# Altium PCB WX0.007.100PCB-4.2.PcbDoc (part 1 of 2)
Units mil, origin at the board's own origin, x right, y up, seen from the top; angles counter-clockwise.
Board outline 4262 x 10750.19 mil, 4 copper layers (Top Layer, GND, VCC, Bottom Layer), stack 62.248 mil thick; 172 components, 134 nets, 606 pads, 489 vias.
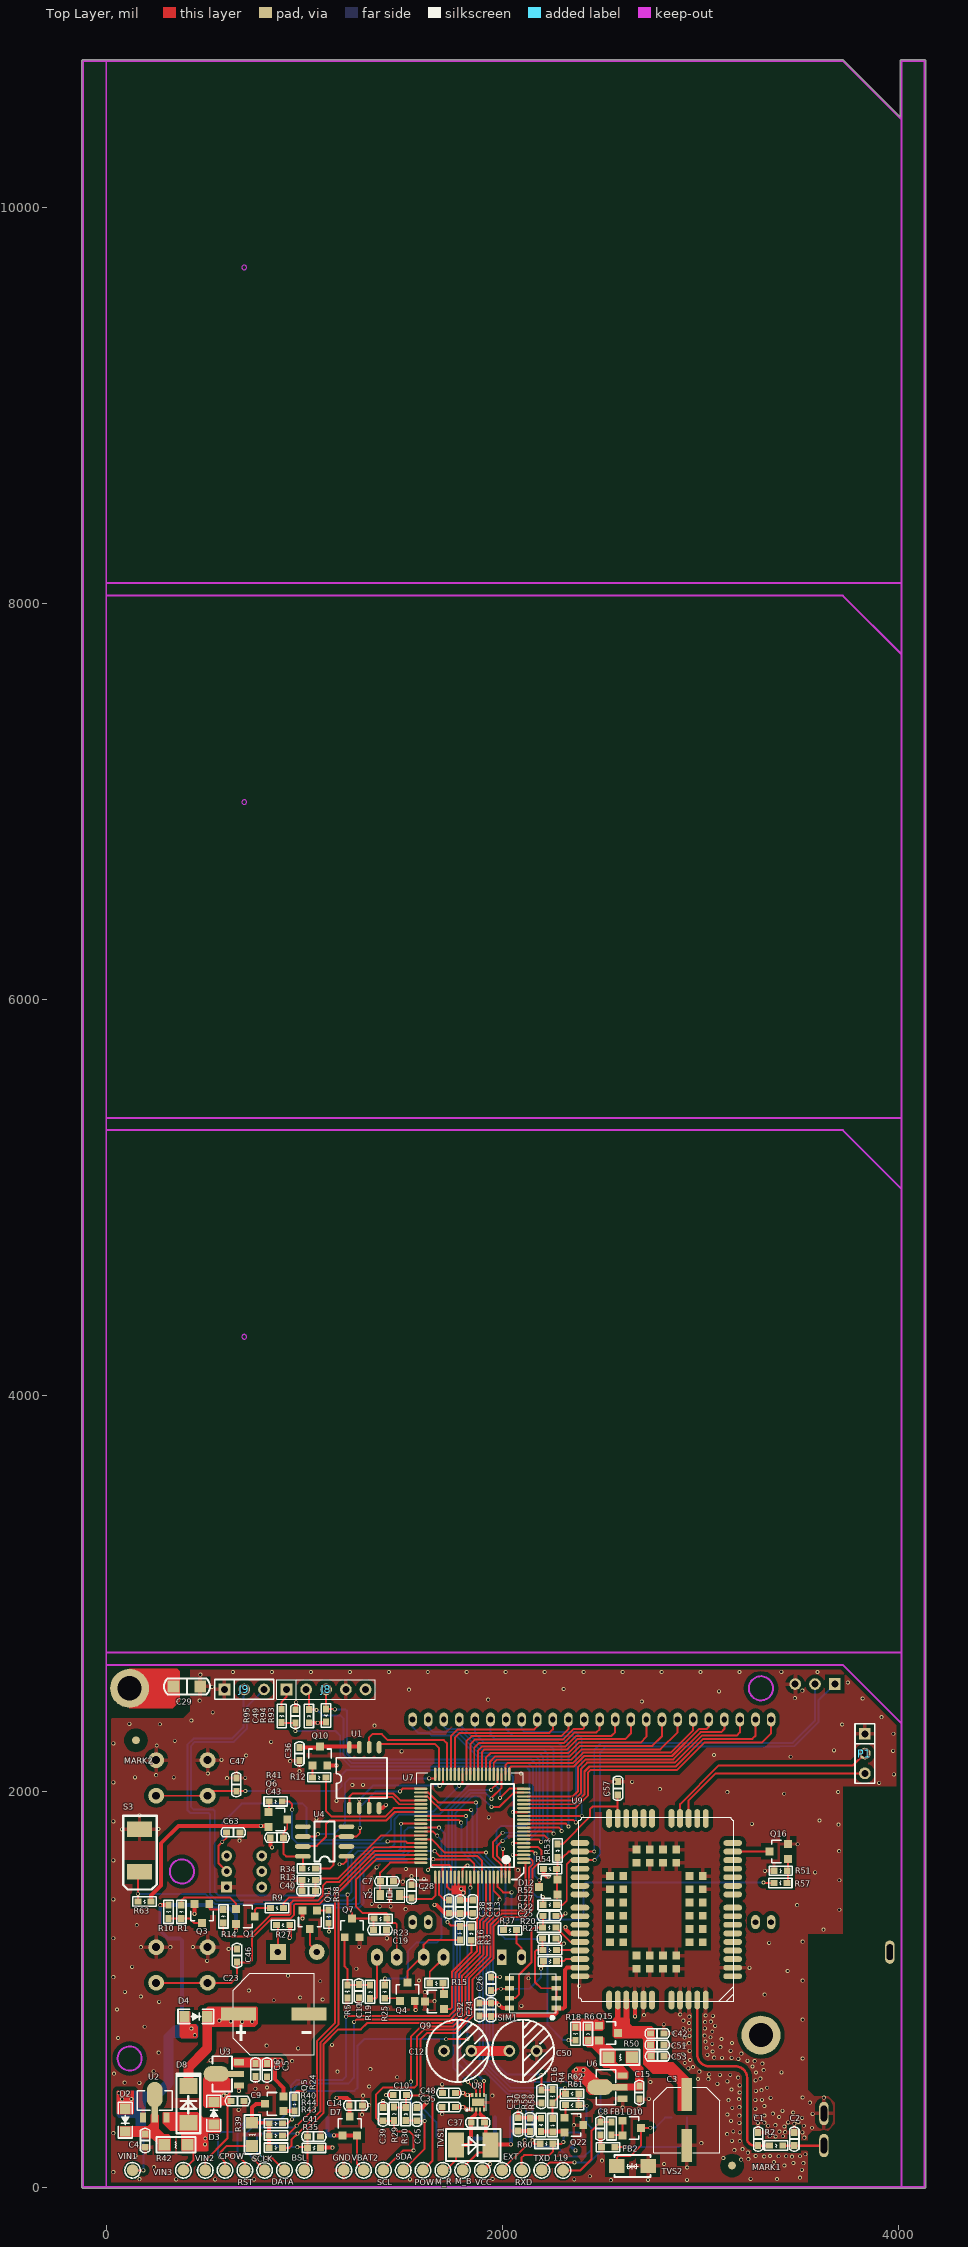
[diagram p0: Top Layer view]
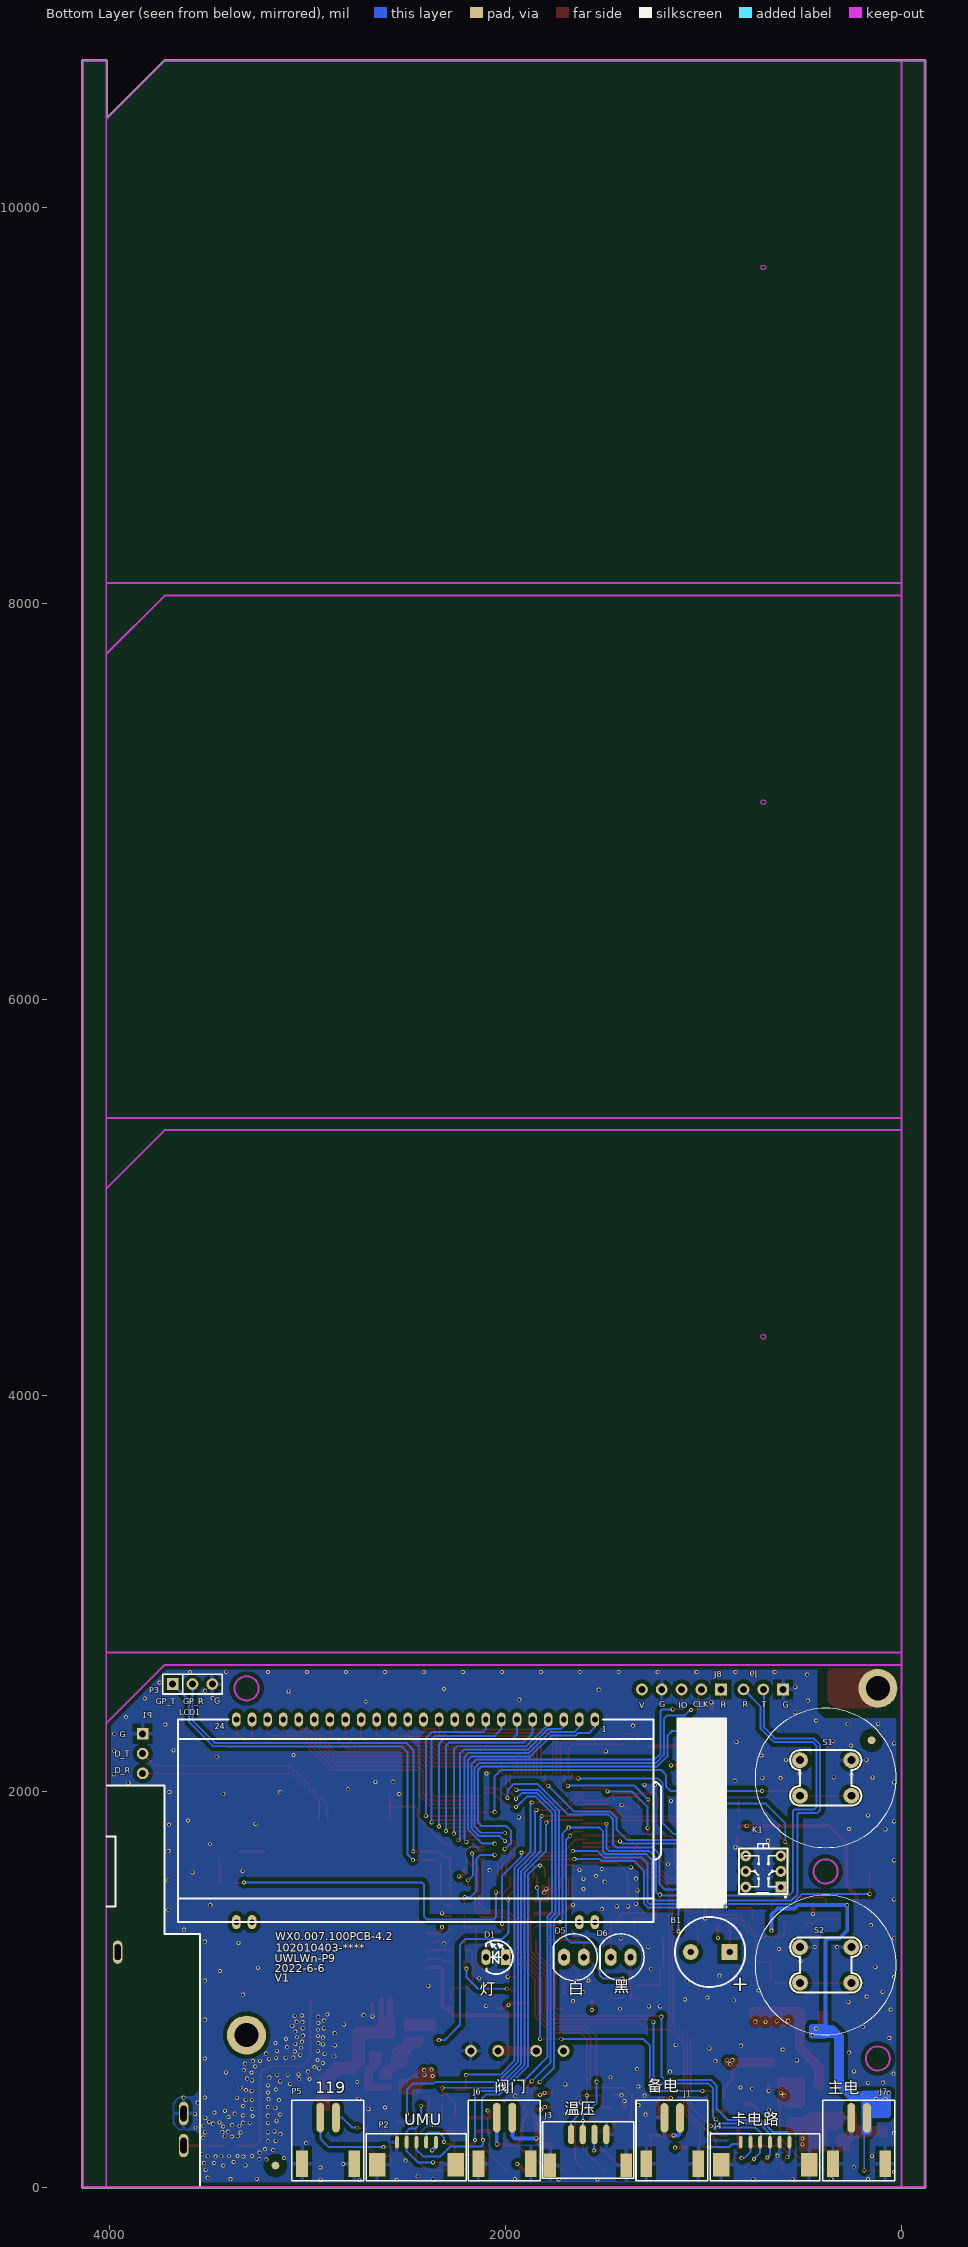
[diagram p1: Bottom Layer view, seen from below]
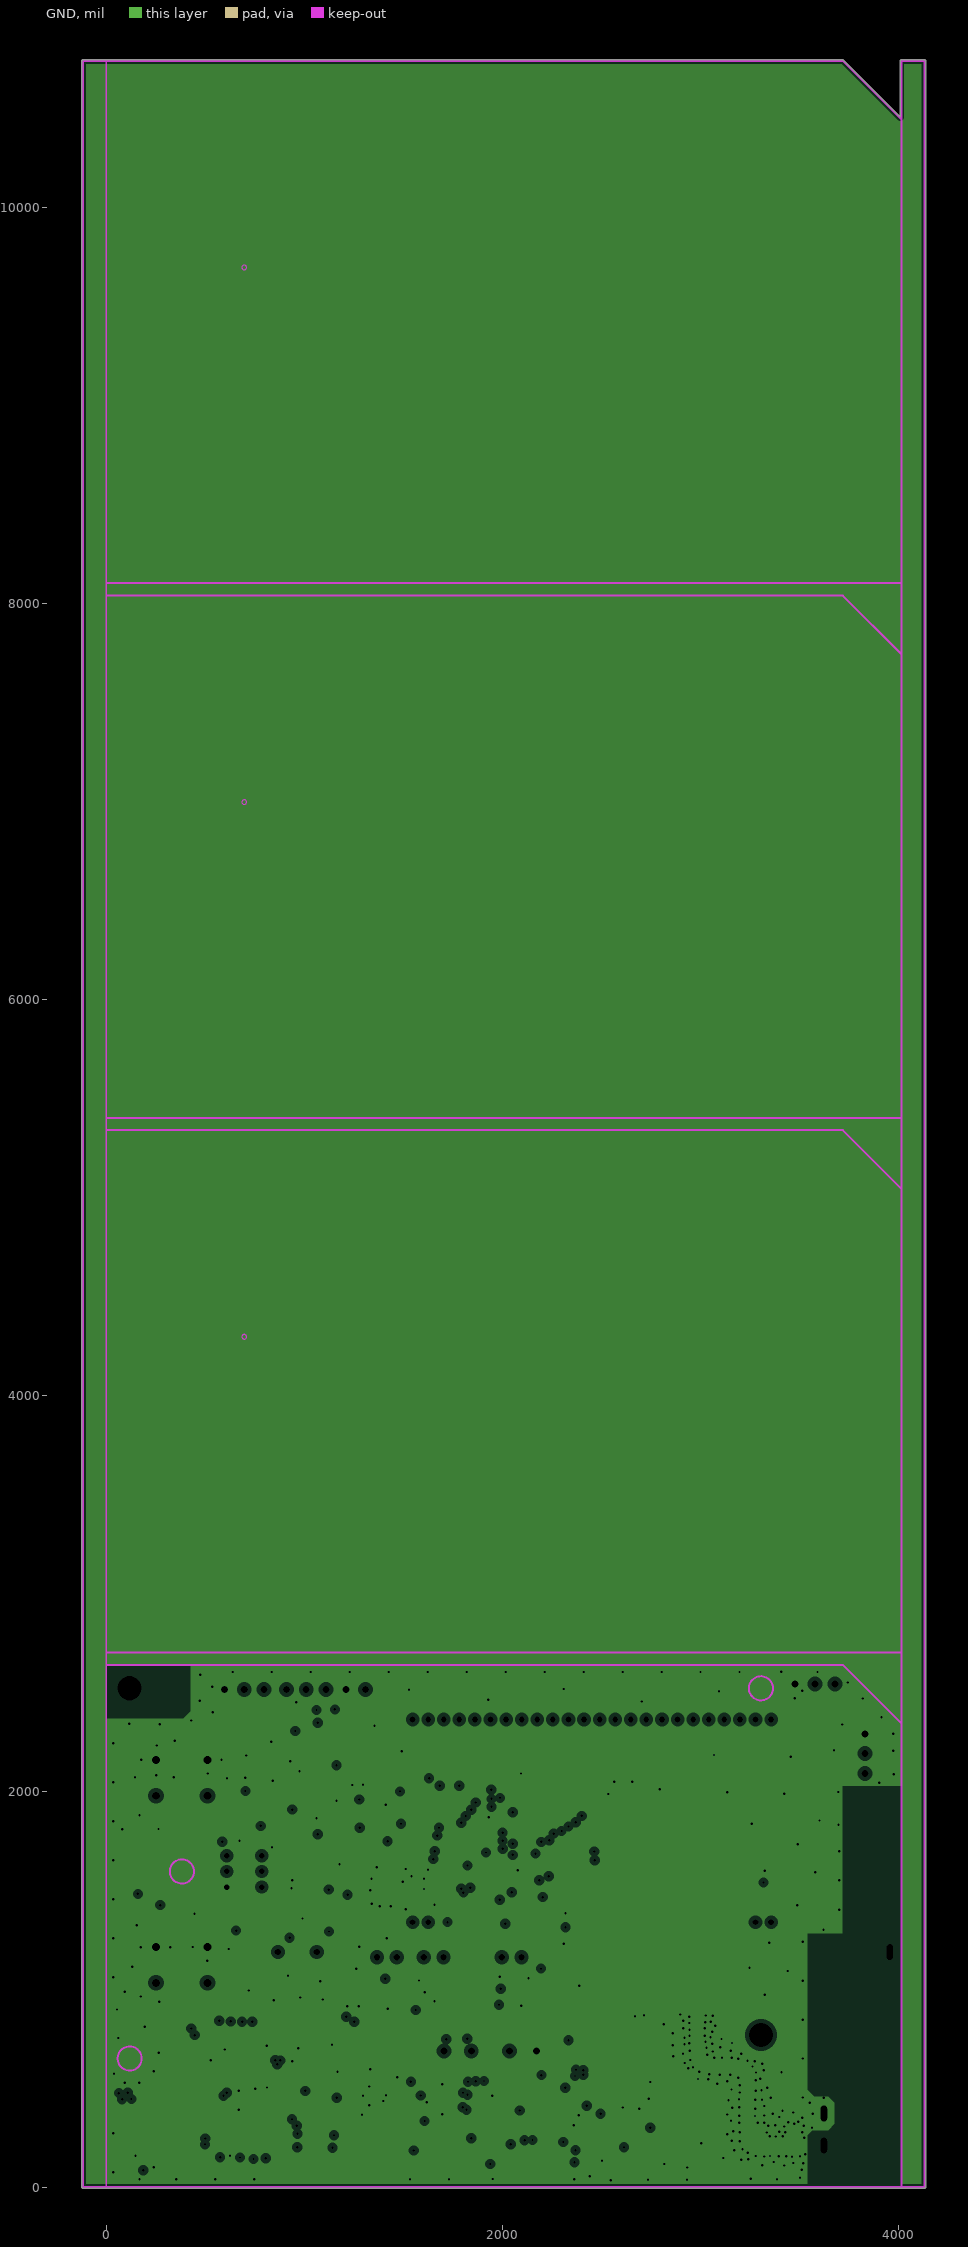
[diagram p2: GND, clearances drawn from the general rule]
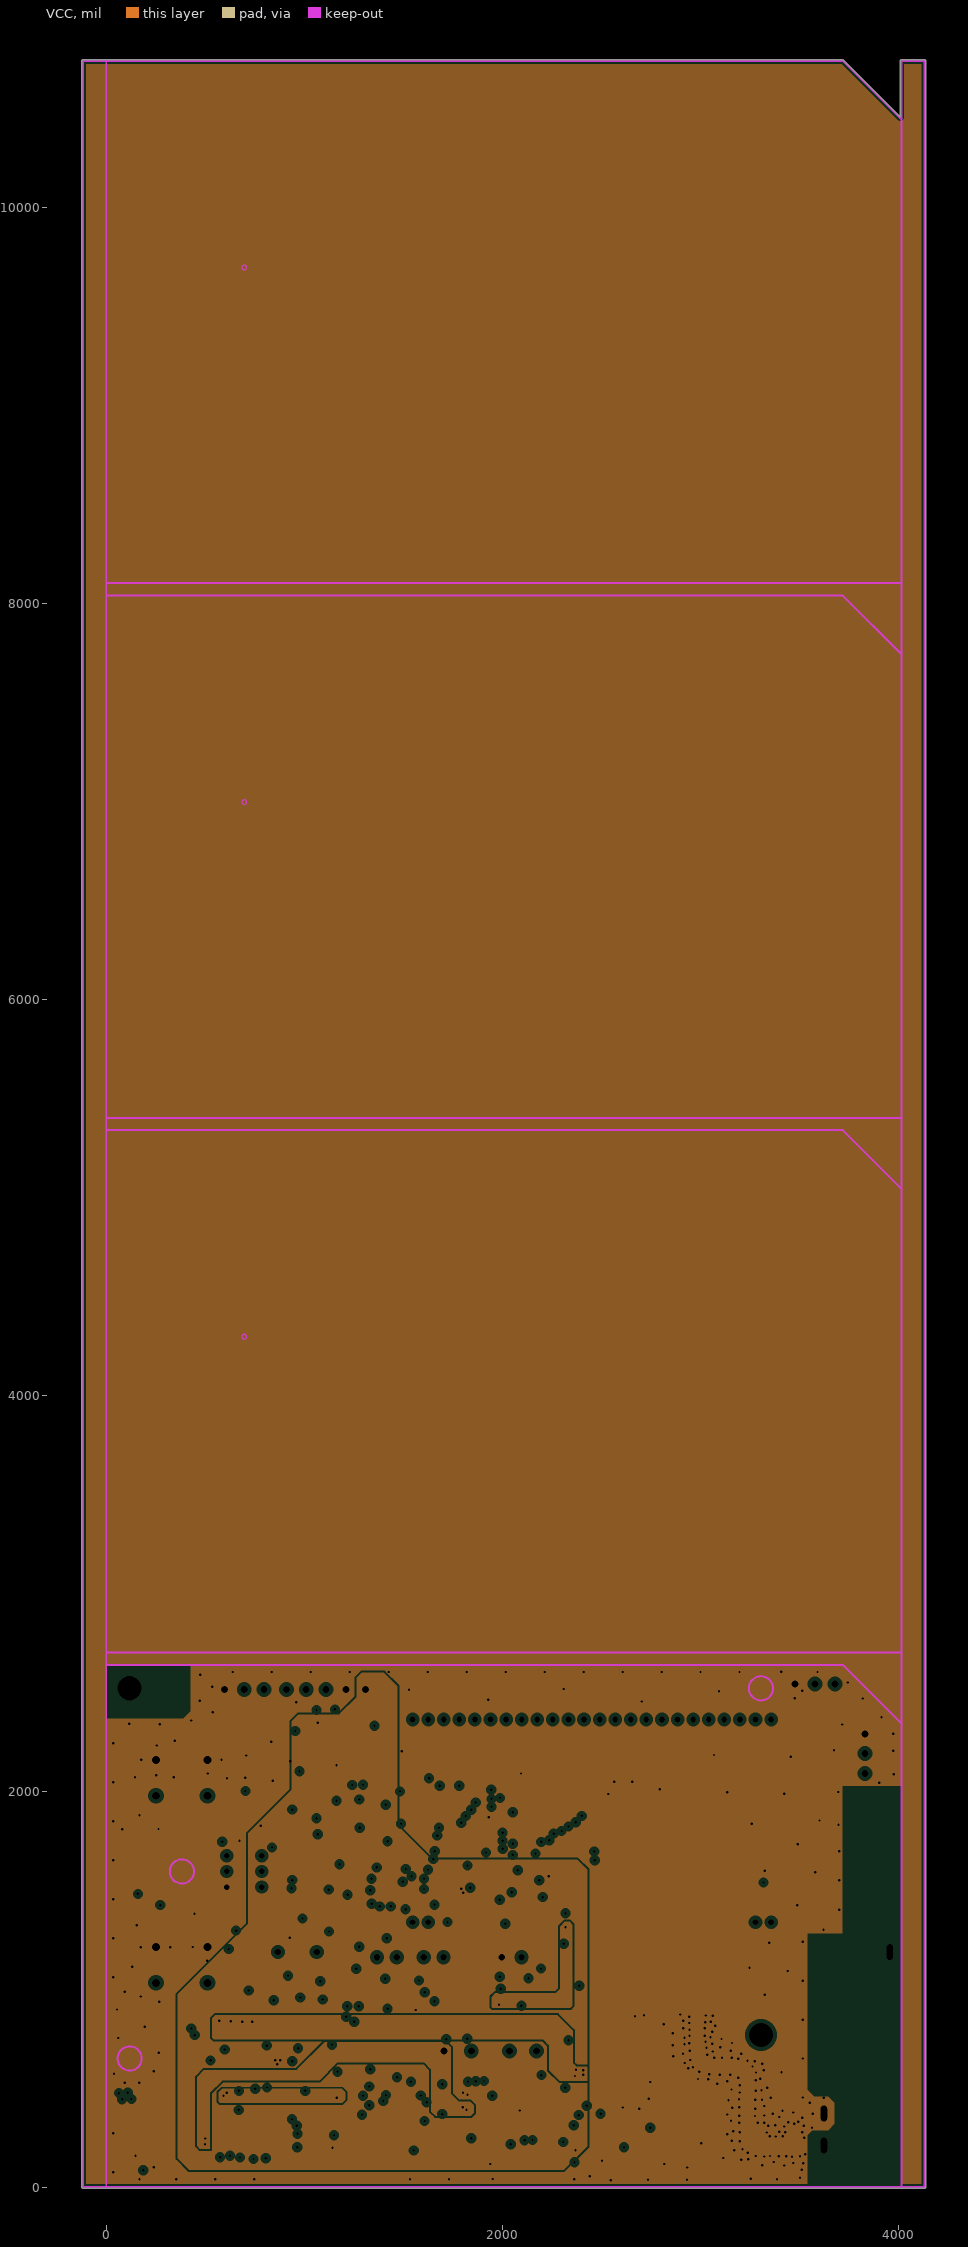
[diagram p3: VCC, clearances drawn from the general rule]

## Layer stack, top to bottom
Top Solder: solder mask 0.4, Solder Resist, Dk 3.5
Top Layer: signal copper 1.4
Dielectric 1: core 10, FR-4, Dk 4.2
GND: plane copper 1.4169, net GND
Dielectric 2: prepreg 36.6142, Dk 4.2
VCC: plane copper 1.4169, net (Multiple Nets)
Dielectric 3: core 10, Dk 4.2
Bottom Layer: signal copper 1.4
Bottom Solder: solder mask 0.4, Solder Resist, Dk 3.5

## Board outline
-123.13,0 -123.13,10740.16 cw(c-118.11,10740.16) -118.11,10745.17 3720.47,10745.17 cw(c3720.47,10740.16) 3724.04,10743.69 4010.73,10456.99 4010.73,10739.91 cw(c4015.75,10739.91) 4012.33,10743.58 cw(c4016,10740.16) 4016,10745.17 4133.86,10745.17 cw(c4133.86,10740.16) 4138.87,10740.16 4138.87,0 cw(c4133.86,0) 4133.86,-5.01 -118.11,-5.01 cw(c-118.11,0)

## Design rules (kind name [scope] priority, off if disabled: settings)
Clearance VIA-VIA [ISVIA vs ISVIA] p1: gap=20 ignorepadtopadclearanceinfootprint=FALSE except(0: Arc-Hole Track-Hole SMDPad-Hole THPad-Hole Via-Hole Fill-Hole Poly-Hole Region-Hole Text-Hole)
Clearance VIA-PAD [ISVIA vs ISPAD] p2: gap=15 ignorepadtopadclearanceinfootprint=FALSE except(0: Arc-Hole Track-Hole SMDPad-Hole THPad-Hole Via-Hole Fill-Hole Poly-Hole Region-Hole Text-Hole)
Clearance VIA-TRACK [ISVIA vs ISTRACK] p3: gap=15 ignorepadtopadclearanceinfootprint=FALSE except(0: Arc-Hole Track-Hole SMDPad-Hole THPad-Hole Via-Hole Fill-Hole Poly-Hole Region-Hole Text-Hole)
Clearance Polygon [InPolygon] p4: gap=20 ignorepadtopadclearanceinfootprint=FALSE except(0: Arc-Hole Track-Hole SMDPad-Hole THPad-Hole Via-Hole Fill-Hole Poly-Hole Region-Hole Text-Hole)
Clearance [All] p5: gap=7 ignorepadtopadclearanceinfootprint=FALSE except(0: Arc-Hole Track-Hole SMDPad-Hole THPad-Hole Via-Hole Fill-Hole Poly-Hole Region-Hole Text-Hole)
ComponentClearance [All] p1 off: gap=10 collisioncheckmode=3 verticalgap=10 showdistances=FALSE
FabricationTestPointUsage TestPointUsage [All] p1: valid=0 allowmultiple=FALSE
FabricationTestpoint Testpoint [(IsPad And (OnTopLayer Or OnBottomLayer))] p1: side=3 testpointundercomponent=TRUE minsize=40 maxsize=100 preferedsize=60 minholesize=0 maxholesize=40 preferedholesize=32 testpointgrid=1 allowsidetop=TRUE allowsidebottom=TRUE usegrid=TRUE gridtolerance=0.01
HoleSize [All] p1 off: absolutevalues=TRUE maxlimit=300 minlimit=0 maxpercent=80.000 minpercent=20.000
HoleToHoleClearance [All] p1 off: gap=10 allowstackedmicrovias=TRUE
LayerPairs [All] p1 off: enforce=TRUE
MinimumSolderMaskSliver [All] p1 off: minsoldermaskwidth=10
NetAntennae [All] p1 off: netantennaetolerance=0
PlaneClearance [All] p1: clearance=20
PlaneConnect [All] p1: planeconnectstyle=Direct reliefexpansion=20 reliefentries=4 reliefconductorwidth=20 reliefairgap=10
PolygonConnect [isvia] p1: connectstyle=Direct reliefconductorwidth=15 reliefentries=4 polygonreliefangle="90 Angle" airgapwidth=10
PolygonConnect PolygonConnect_1 [All] p2: connectstyle=Relief reliefconductorwidth=20 reliefentries=4 polygonreliefangle="90 Angle" airgapwidth=20
RoutingVias [All] p1: holewidth=10 width=20 viastyle="Through Hole" minholewidth=5 minwidth=5 maxholewidth=50 maxwidth=100
SilkToBoardRegionClearance [All] p1 off:
SilkToSilkClearance [All] p1 off: silktosilkclearance=10
SilkToSolderMaskClearance [IsPad] p1 off: minsilkscreentomaskgap=10 clearancetoexposedcopper=TRUE
SolderMaskExpansion [All] p1: expansion=4
Width [All] p1: maxlimit=300 minlimit=8 preferedwidth=8
17 further rules are at their usual default settings.

## Classes and differential pairs
component class WX0.007.101DL: 119 * B1 C7 C8 C10 C11 C13 C16 C19 C28 C29 C30 C31 C35 C36 C37 C38 C39 C40 C44 C45 C46 C47 C48 C49 D1 D5 D6 D10 EXT FB1 FB2 GND J3 J5 J6 J8 J9 LCD1 M_B M_R MARK1 MARK2 P2 P5 POW Q1 Q3 Q4 Q7 Q9 Q10 Q11 Q22 R1 R3 R4 R5 R9 R10 R12 R13 R14 R15 R16 R19 R23 R25 R27 R29 R30 R37 R38 R58 R59 R60 R61 R62 R93 R94 R95 RXD S1 S2 SCL SDA TVS1 TVS2 TXD U1 U7 U8 VCC Y2
component class WX0.007.102DL: BSL C1 C2 C3 C4 C5 C6 C9 C12 C14 C15 C23 C24 C25 C26 C27 C32 C41 C42 C43 C50 C51 C53 C57 C63 CPOW D2 D3 D4 D7 D8 D12 DATA J1 J4 J7 K1 P1 P3 Q5 Q6 Q15 Q16 R2 R6 R18 R20 R21 R22 R24 R34 R35 R39 R40 R41 R42 R43 R44 R50 R51 R52 R53 R54 R57 R63 RST S3 SCLK SIM1 U2 U3 U4 U6 U9 VBAT2 VIN1 VIN2 VIN3

## Components (designator, comment, footprint, x,y, rotation, side; value= is the part's Value field where it differs from the comment)
119 "TEST-PAD" TEST-PAD 2307,84 r180 top
* "Bar Code1" "Bar Code1" 879,1407 r90 bottom
B1 "HYT-0903" HYT-0903 867,1187.74 r0 bottom
BSL "TEST-PAD" TEST-PAD 1000,85 r0 top
C1 "NC" CAP0603 3293,210 r90 top
C2 "NC" CAP0603 3475,210 r90 top
C3 "220uF/16V" 220uf 2932,339 r270 top
C4 "100nF/50V" CAP0603 197,268 r270 top
C5 "100nF/50V" CAP0603 812,624 r270 top
C6 "10uF/10V" CAP0603 754,625 r270 top
C7 "12pF/50V" CAP0603 1451,1544.74 r180 top
C8 "100nF/50V" CAP0603 2496,329 r270 top
C9 "10uF/10V" CAP0603 630,435 r0 top
C10 "100nF/50V" CAP0603 1516,465 r180 top
C11 "10pF/50V" CAP0603 1276,1023 r270 top
C12 "1F/2.75V" CE-8*11.5 1706,688 r0 top locked
C13 "100nF/50V" CAP0603 1851,1383.74 r90 top
C14 "100nF/50V" CAP0603 1228,413 r0 top
C15 "100nF/50V" CAP0603 2693,511 r270 top
C16 "33pF/50V" CAP0603 2198,491 r270 top
C19 "100pF/50V" CAP0603 1350,1300 r0 top
C23 "1000uF/16V" CAPSM_450_1000_1050 846,874 r90 top
C24 "33pF/50V" CAP0603 1944,929 r270 top
C25 "33pF/50V" CAP0603 2205,1255 r0 top
C26 "33pF/50V" CAP0603 1943,994 r90 top
C27 "33pF/50V" CAP0603 2206,1370 r0 top
C28 "12pF/50V" CAP0603 1542,1527 r270 top
C29 "103P/1KV" CAP1206 340,2529 r0 top
C30 "10uF/10V" CAP0603 2140,348 r270 top
C31 "100nF/50V" CAP0603 2081,350 r270 top
C32 "100nF/50V" CAP0603 1886,930 r270 top
C35 "100nF/50V" CAP0603 1763,404 r180 top
C36 "100nF/50V" CAP0603 976,2221.23 r270 top
C37 "100nF/50V" CAP0603 1844,326 r0 top
C38 "100nF/50V" CAP0603 1731,1450 r270 top
C39 "33pF/50V" CAP0603 1399,401.74 r270 top
C40 "10pF" CAP0603 990,1497 r0 top
C41 "100nF/50V" CAP0603 1016,256 r0 top
C42 "10pF/50V" CAP0603 2750.26,776 r0 top
C43 "100nF/50V" CAP0603 895,1765 r180 top
C44 "100nF/50V" CAP0603 1788,1382.74 r90 top
C45 "33pF/50V" CAP0603 1568.51,335.74 r90 top
C46 "100nF/50V" CAP0603 661,1203 r270 top
C47 "100nF/50V" CAP0603 657,2066 r270 top
C48 "100nF/50V" CAP0603 1698,476 r0 top
C49 "33pF/50V" CAP0603 955,2410.74 r270 top
C50 "1F/2.75V" CE-8*11.5 2036,688 r0 top locked
C51 "100nF/50V" CAP0603 2750.26,719 r0 top
C53 "33pF/50V" CAP0603 2751.26,661 r0 top
C57 "1uF/16V" CAP0603 2584,1982 r90 top
C63 "100nF/50V" CAP0603 674,1792 r180 top
CPOW "TEST-PAD" TEST-PAD 600,85 r90 top
D1 "LED_T3R" LED2_300 1997.64,1161.42 r270 bottom
D2 "DS36W" SOD-123FL 96,398.74 r270 top
D3 "DS12W" SOD-123FL 544,313 r90 top
D4 "DS36W" SOD-123FL 393,862 r0 top
D5 "AT205B" IR_254_1000_500 1653.54,1161.42 r180 bottom
D6 "AT405-PD-01" IR_254_1000_500 1417.32,1161.42 r180 bottom locked
D7 "BAT54CLT1" SOT-23 1230,309 r0 top
D8 "SS12" DO-214AC 415,417.74 r90 top
D10 "BAT54CLT1" SOT-23 2654,298 r270 top
D12 "BAT54CLT1" SOT-23 2233,1516 r90 top
DATA "TEST-PAD" TEST-PAD 900,85 r90 top
EXT "TEST-PAD" TEST-PAD 2000,85 r90 top
FB1 "FB03SN3000_30R" IND0603 2553,330 r270 top
FB2 "FB03SN3000_30R" IND0603 2502,201.74 r0 top
GND "TEST-PAD" TEST-PAD 1200,85 r90 top
J1 "S_PH200_1*2R" SMT2-2.0 1157,234 r180 bottom locked
J3 "ZH150_1*4R" SMT-1.5-4 1579,266 r180 bottom
J4 "S_PH125_1*6R" SMT-1.25-6 687,170 r180 bottom locked
J6 "S_PH200_1*2R" SMT2-2.0 2004,235 r180 bottom locked
J7 "S_PH200_1*2R" SMT2-2.0 213,234 r180 bottom locked
J8 "Header 5" PIN254_1*5SR 910,2513.74 r0 top
J9 "PIN254_1*3*WXHJ" PIN254_1*3*WXHJ 597,2514 r0 top
K1 "SWT_6_700_700_1250" "KFT DIP-5.8X5.8" 696.85,1594.49 r0 bottom
LCD1 "GVH26795A-HPP" JR-H25808ARP 2452.76,1850.39 r180 bottom locked
M_B "TEST-PAD" TEST-PAD 1800,85 r90 top
M_R "TEST-PAD" TEST-PAD 1700,85 r90 top
MARK1 "MARK" MARK 3161,109 r90 top
MARK2 "MARK" MARK 150,2257 r90 top
P1 "PIN254_1*3" PIN254_1*3*WXHJ 3832,2290 r270 top
P2 "SM05B" SMT-1.25-5 2449,227 r180 bottom locked
P3 "PIN254_1*3" PIN254_1*3*WXHJ 3680,2541 r180 bottom
P5 "S_PH200_1*2R" SMT2-2.0 2895,235 r180 bottom locked